# Altium PCB Mutiple.PcbDoc (part 2 of 3) (continued)
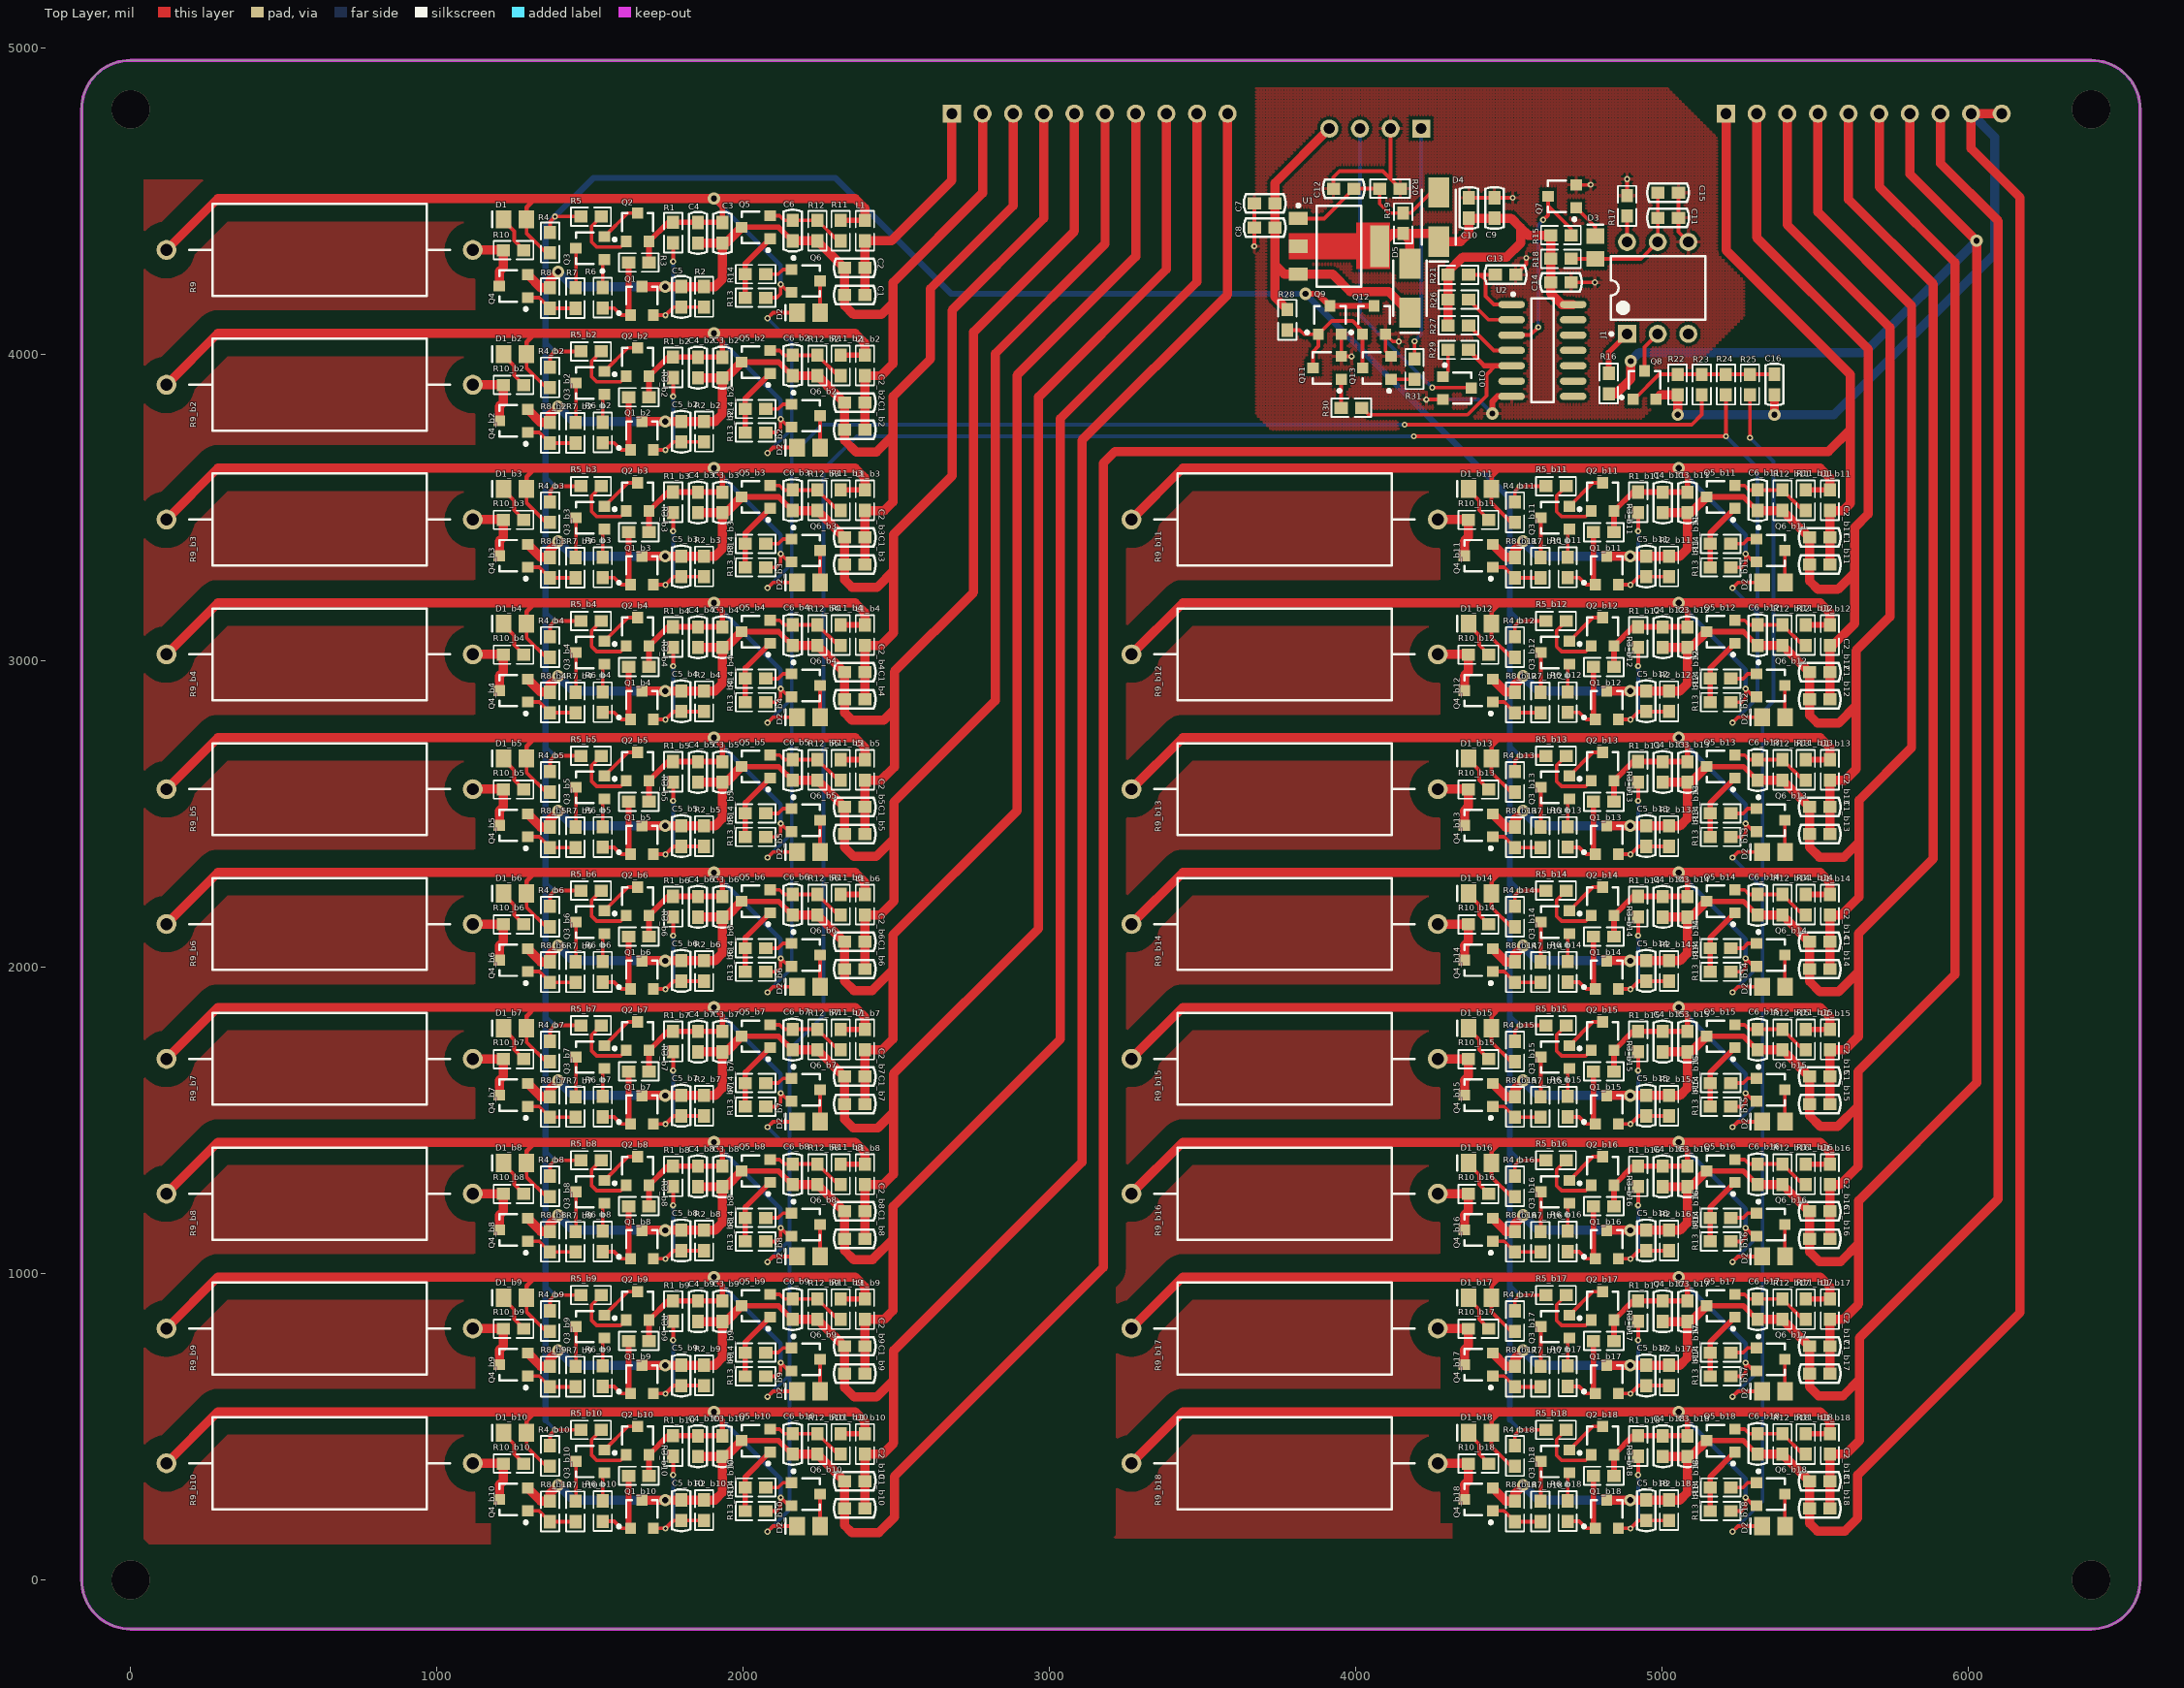
[diagram p0: Top Layer view]
## Nets (pads, with @x,y where several pads share a name; then routed paths per layer and width w, separated by ;. In a path a pad name is that pad's centre, name@x,y a point inside that pad or via, vN(x,y) a via of type N, cw(c..) or ccw(c..) an arc to the next point about the centre after c; other vN are vias at no path point) (continued)
  Bottom Layer w30: v2(4546,2950) 4594.74,2901.26 4895.26,2901.26 v2(4895,2901)
IN_A13: C1_b13.1 C1_b14.2 C2_b13.1 C2_b14.2 C3_b13.1 C4_b13.1 C5_b13.1 C6_b13.1 L1_b14.1 P2.4 Q1_b13.3 Q4_b13.2 Q5_b13.3 R2_b13.1 R8_b13.1 R12_b13.1 | length 4846.2
  Top Layer w18: Q5_b13.3@5144.74,2655 5265,2655 C6_b13.1@5309.46,2610.54
  Top Layer w30: Q4_b13.2@4446.26,2500.4 4489.2,2457.46 R8_b13.1@4519,2457.46 4519,2483 v2(4546,2510) ; Q1_b13.3@4819,2461.26 5057.33,2461.26 5082,2485.93 C3_b13.1@5082,2603.54 ; C4_b13.1@5002,2603.54 C3_b13.1@5082,2603.54 ; Q5_b13.3@5144.74,2655 5093.28,2603.54 C3_b13.1@5082,2603.54 ; C6_b13.1@5309.46,2610.54 C6_b13.1@5311,2610.54 R12_b13.1@5392,2610.54 5479.54,2523 C2_b13.1@5480.54,2523 C1_b13.1@5480.54,2434 5480.54,2391.46 5513,2359 5593,2359 5642,2408 ; P2.4@5508,4786 5508,4464.47 5813.74,4158.74 5813.74,2716.74 5642,2545 5642,2408 ; C1_b14.2@5547,1994.46 L1_b14.1@5547,2170.54 5583.54,2170.54 5642,2229 5642,2408
  Bottom Layer w30: v2(4546,2510) 4594.74,2461.26 4895.26,2461.26 v2(4895,2461)
IN_A14: C1_b14.1 C1_b15.2 C2_b14.1 C2_b15.2 C3_b14.1 C4_b14.1 C5_b14.1 C6_b14.1 L1_b15.1 P2.5 Q1_b14.3 Q4_b14.2 Q5_b14.3 R2_b14.1 R8_b14.1 R12_b14.1 | length 5314
  Top Layer w18: Q5_b14.3@5144.74,2215 5265,2215 C6_b14.1@5309.46,2170.54
  Top Layer w30: Q4_b14.2@4446.26,2060.4 4489.2,2017.46 R8_b14.1@4519,2017.46 4519,2043 v2(4546,2070) ; Q1_b14.3@4819,2021.26 5057.33,2021.26 5082,2045.93 C3_b14.1@5082,2163.54 ; C4_b14.1@5002,2163.54 C3_b14.1@5082,2163.54 ; Q5_b14.3@5144.74,2215 5093.28,2163.54 C3_b14.1@5082,2163.54 ; C6_b14.1@5309.46,2170.54 C6_b14.1@5311,2170.54 R12_b14.1@5392,2170.54 5479.54,2083 C2_b14.1@5480.54,2083 C1_b14.1@5480.54,1994 5480.54,1953.46 5514,1920 5575,1920 5640,1985 ; C1_b15.2@5547,1554.46 L1_b15.1@5547,1730.54 5596.54,1730.54 5640,1774 5640,1985 ; P2.5@5608,4786 5608,4505.89 5884.45,4229.45 5884.45,2354.45 5640,2110 5640,1985
  Bottom Layer w30: v2(4546,2070) 4594.74,2021.26 4895.26,2021.26 v2(4895,2021)
IN_A15: C1_b15.1 C1_b16.2 C2_b15.1 C2_b16.2 C3_b15.1 C4_b15.1 C5_b15.1 C6_b15.1 L1_b16.1 P2.6 Q1_b15.3 Q4_b15.2 Q5_b15.3 R2_b15.1 R8_b15.1 R12_b15.1 | length 5760.5
  Top Layer w18: Q5_b15.3@5144.74,1775 5265,1775 C6_b15.1@5309.46,1730.54
  Top Layer w30: Q4_b15.2@4446.26,1620.4 4489.2,1577.46 R8_b15.1@4519,1577.46 4519,1603 v2(4546,1630) ; Q1_b15.3@4819,1581.26 5057.33,1581.26 5082,1605.93 C3_b15.1@5082,1723.54 ; C4_b15.1@5002,1723.54 C3_b15.1@5082,1723.54 ; Q5_b15.3@5144.74,1775 5093.28,1723.54 C3_b15.1@5082,1723.54 ; C6_b15.1@5309.46,1730.54 C6_b15.1@5311,1730.54 R12_b15.1@5392,1730.54 5479.54,1643 C2_b15.1@5480.54,1643 C1_b15.1@5480.54,1554 5480.54,1515.46 5516,1480 5572,1480 5639,1547 ; C1_b16.2@5547,1114.46 L1_b16.1@5547,1290.54 5580.54,1290.54 5639,1349 5639,1547 ; P2.6@5708,4786 5708,4547.31 5955.16,4300.16 5955.16,1976.16 5639,1660 5639,1547
  Bottom Layer w30: v2(4546,1630) 4594.74,1581.26 4895.26,1581.26 v2(4895,1581)
IN_A16: C1_b16.1 C1_b17.2 C2_b16.1 C2_b17.2 C3_b16.1 C4_b16.1 C5_b16.1 C6_b16.1 L1_b17.1 P2.7 Q1_b16.3 Q4_b16.2 Q5_b16.3 R2_b16.1 R8_b16.1 R12_b16.1 R16.1 | length 7666.6
  Top Layer w18: Q5_b16.3@5144.74,1335 5265,1335 C6_b16.1@5309.46,1290.54
  Top Layer w30: Q4_b16.2@4446.26,1180.4 4489.2,1137.46 R8_b16.1@4519,1137.46 4519,1163 v2(4546,1190) ; Q1_b16.3@4819,1141.26 5057.33,1141.26 5082,1165.93 C3_b16.1@5082,1283.54 ; R16.1@4825,3871.54 4848.54,3871.54 4897,3920 v2(4897,3978) ; C4_b16.1@5002,1283.54 C3_b16.1@5082,1283.54 ; Q5_b16.3@5144.74,1335 5093.28,1283.54 C3_b16.1@5082,1283.54 ; C6_b16.1@5309.46,1290.54 C6_b16.1@5311,1290.54 R12_b16.1@5392,1290.54 5479.54,1203 C2_b16.1@5480.54,1203 C1_b16.1@5480.54,1114 5480.54,1071.46 5513,1039 5582,1039 5641,1098 ; C1_b17.2@5547,674.46 L1_b17.1@5547,850.54 5590.54,850.54 5641,901 5641,1098 ; P2.7@5808,4786 5808,4588.74 v2(6025.87,4370.87) 6025.87,1622.87 5641,1238 5641,1098
  Bottom Layer w30: v2(4546,1190) 4594.74,1141.26 4895.26,1141.26 v2(4895,1141) ; v2(4897,3978) 4925,4006 5661,4006 v2(6025.87,4370.87)
IN_A17: C1_b17.1 C1_b18.2 C2_b17.1 C2_b18.2 C3_b17.1 C4_b17.1 C5_b17.1 C6_b17.1 L1_b18.1 P2.8 Q1_b17.3 Q4_b17.2 Q5_b17.3 R2_b17.1 R8_b17.1 R12_b17.1 | length 6687.5
  Top Layer w18: Q5_b17.3@5144.74,895 5265,895 C6_b17.1@5309.46,850.54
  Top Layer w30: Q4_b17.2@4446.26,740.4 4489.2,697.46 R8_b17.1@4519,697.46 4519,723 v2(4546,750) ; Q1_b17.3@4819,701.26 5057.33,701.26 5082,725.93 C3_b17.1@5082,843.54 ; C4_b17.1@5002,843.54 C3_b17.1@5082,843.54 ; Q5_b17.3@5144.74,895 5093.28,843.54 C3_b17.1@5082,843.54 ; C6_b17.1@5309.46,850.54 C6_b17.1@5311,850.54 R12_b17.1@5392,850.54 5479.54,763 C2_b17.1@5480.54,763 C1_b17.1@5480.54,674 5480.54,630.46 5510,601 5590,601 5644,655 ; C1_b18.2@5547,234.46 L1_b18.1@5547,410.54 5598.54,410.54 5644,456 5644,655 ; P2.8@5908,4786 5908,4623.58 6096.58,4435 6096.58,1243.58 5644,791 5644,655
  Bottom Layer w30: v2(4546,750) 4594.74,701.26 4895.26,701.26 v2(4895,701)
IN_B17: C1_b18.1 C2_b18.1 C3_b18.1 C4_b18.1 C5_b18.1 C6_b18.1 C16.2 P2.9 P2.10 Q1_b18.3 Q4_b18.2 Q5_b18.3 Q8.2 R2_b18.1 R8_b18.1 R12_b18.1 R22.1 | length 8711
  Top Layer w18: Q5_b18.3@5144.74,455 5265,455 C6_b18.1@5309.46,410.54
  Top Layer w30: Q4_b18.2@4446.26,300.4 4489.2,257.46 R8_b18.1@4519,257.46 4519,283 v2(4546,310) ; Q1_b18.3@4819,261.26 5057.33,261.26 5082,285.93 C3_b18.1@5082,403.54 ; Q8.2@4979.4,3853.74 4993.66,3868 R22.1@5050,3868 v2(5050,3803) ; C4_b18.1@5002,403.54 C3_b18.1@5082,403.54 ; Q5_b18.3@5144.74,455 5093.28,403.54 C3_b18.1@5082,403.54 ; C6_b18.1@5309.46,410.54 C6_b18.1@5311,410.54 R12_b18.1@5392,410.54 5479.54,323 C2_b18.1@5480.54,323 C1_b18.1@5480.54,234 5480.54,185.46 5506,160 5596,160 5638,202 5638,343 6167.29,872.29 6167.29,4512.29 6008,4671.58 P2.9@6008,4786 P2.10@6108,4786 ; v2(5366,3803) C16.2@5366,3868.54
  Bottom Layer w30: v2(4546,310) 4594.74,261.26 4895.26,261.26 v2(4895,261) ; v2(5050,3803) v2(5366,3803) 5560,3803 6085,4328 6085,4709 P2.9@6008,4786
NetC3_2: C3.2 C4.2 D1.1 L1.2 Q2.2 Q6.2 R1.2 R3.2 R4.1 R9.2 R11.2 R13.2 | length 3636
  Top Layer w12: D1.1@1292.4,4441 1292.4,4395.6 1356.46,4331.54 R4.1@1369,4331.54 ; R13.2@2073.46,4185 2109,4185 2122,4198 v1(2122,4229) 2148.4,4202.6 Q6.2@2157.74,4202.6
  Top Layer w15: D1.1@1292.4,4441 1292.4,4480.4 1321,4509
  Top Layer w18: R3.2@1692.46,4300 Q2.2@1692.4,4368.74 1754.79,4431 R1.2@1771,4431 1931.46,4431 C3.2@1932,4430.46 1932,4481 v2(1904,4509) ; R11.2@2318,4437.46 L1.2@2397,4437.46
  Top Layer w30: R9.2@117,4341 285,4509 1321,4509 v2(1904,4509) 2365,4509 2397,4477 L1.2@2397,4437.46
  Bottom Layer w15: v2(1904,4509) 2122,4291 v1(2122,4229)
NetC3_b2_2: C3_b2.2 C4_b2.2 D1_b2.1 L1_b2.2 Q2_b2.2 Q6_b2.2 R1_b2.2 R3_b2.2 R4_b2.1 R9_b2.2 R11_b2.2 R13_b2.2 | length 3636
  Top Layer w12: D1_b2.1@1292.4,4001 1292.4,3955.6 1356.46,3891.54 R4_b2.1@1369,3891.54 ; R13_b2.2@2073.46,3745 2109,3745 2122,3758 v1(2122,3789) 2148.4,3762.6 Q6_b2.2@2157.74,3762.6
  Top Layer w15: D1_b2.1@1292.4,4001 1292.4,4040.4 1321,4069
  Top Layer w18: R3_b2.2@1692.46,3860 Q2_b2.2@1692.4,3928.74 1754.79,3991 R1_b2.2@1771,3991 1931.46,3991 C3_b2.2@1932,3990.46 1932,4041 v2(1904,4069) ; R11_b2.2@2318,3997.46 L1_b2.2@2397,3997.46
  Top Layer w30: R9_b2.2@117,3901 285,4069 1321,4069 v2(1904,4069) 2365,4069 2397,4037 L1_b2.2@2397,3997.46
  Bottom Layer w15: v2(1904,4069) 2122,3851 v1(2122,3789)
NetC3_b3_2: C3_b3.2 C4_b3.2 D1_b3.1 L1_b3.2 Q2_b3.2 Q6_b3.2 R1_b3.2 R3_b3.2 R4_b3.1 R9_b3.2 R11_b3.2 R13_b3.2 | length 3636
  Top Layer w12: D1_b3.1@1292.4,3561 1292.4,3515.6 1356.46,3451.54 R4_b3.1@1369,3451.54 ; R13_b3.2@2073.46,3305 2109,3305 2122,3318 v1(2122,3349) 2148.4,3322.6 Q6_b3.2@2157.74,3322.6
  Top Layer w15: D1_b3.1@1292.4,3561 1292.4,3600.4 1321,3629
  Top Layer w18: R3_b3.2@1692.46,3420 Q2_b3.2@1692.4,3488.74 1754.79,3551 R1_b3.2@1771,3551 1931.46,3551 C3_b3.2@1932,3550.46 1932,3601 v2(1904,3629) ; R11_b3.2@2318,3557.46 L1_b3.2@2397,3557.46
  Top Layer w30: R9_b3.2@117,3461 285,3629 1321,3629 v2(1904,3629) 2365,3629 2397,3597 L1_b3.2@2397,3557.46
  Bottom Layer w15: v2(1904,3629) 2122,3411 v1(2122,3349)
NetC3_b4_2: C3_b4.2 C4_b4.2 D1_b4.1 L1_b4.2 Q2_b4.2 Q6_b4.2 R1_b4.2 R3_b4.2 R4_b4.1 R9_b4.2 R11_b4.2 R13_b4.2 | length 3636
  Top Layer w12: D1_b4.1@1292.4,3121 1292.4,3075.6 1356.46,3011.54 R4_b4.1@1369,3011.54 ; R13_b4.2@2073.46,2865 2109,2865 2122,2878 v1(2122,2909) 2148.4,2882.6 Q6_b4.2@2157.74,2882.6
  Top Layer w15: D1_b4.1@1292.4,3121 1292.4,3160.4 1321,3189
  Top Layer w18: R3_b4.2@1692.46,2980 Q2_b4.2@1692.4,3048.74 1754.79,3111 R1_b4.2@1771,3111 1931.46,3111 C3_b4.2@1932,3110.46 1932,3161 v2(1904,3189) ; R11_b4.2@2318,3117.46 L1_b4.2@2397,3117.46
  Top Layer w30: R9_b4.2@117,3021 285,3189 1321,3189 v2(1904,3189) 2365,3189 2397,3157 L1_b4.2@2397,3117.46
  Bottom Layer w15: v2(1904,3189) 2122,2971 v1(2122,2909)
NetC3_b5_2: C3_b5.2 C4_b5.2 D1_b5.1 L1_b5.2 Q2_b5.2 Q6_b5.2 R1_b5.2 R3_b5.2 R4_b5.1 R9_b5.2 R11_b5.2 R13_b5.2 | length 3636
  Top Layer w12: D1_b5.1@1292.4,2681 1292.4,2635.6 1356.46,2571.54 R4_b5.1@1369,2571.54 ; R13_b5.2@2073.46,2425 2109,2425 2122,2438 v1(2122,2469) 2148.4,2442.6 Q6_b5.2@2157.74,2442.6
  Top Layer w15: D1_b5.1@1292.4,2681 1292.4,2720.4 1321,2749
  Top Layer w18: R3_b5.2@1692.46,2540 Q2_b5.2@1692.4,2608.74 1754.79,2671 R1_b5.2@1771,2671 1931.46,2671 C3_b5.2@1932,2670.46 1932,2721 v2(1904,2749) ; R11_b5.2@2318,2677.46 L1_b5.2@2397,2677.46
  Top Layer w30: R9_b5.2@117,2581 285,2749 1321,2749 v2(1904,2749) 2365,2749 2397,2717 L1_b5.2@2397,2677.46
  Bottom Layer w15: v2(1904,2749) 2122,2531 v1(2122,2469)
NetC3_b6_2: C3_b6.2 C4_b6.2 D1_b6.1 L1_b6.2 Q2_b6.2 Q6_b6.2 R1_b6.2 R3_b6.2 R4_b6.1 R9_b6.2 R11_b6.2 R13_b6.2 | length 3636
  Top Layer w12: D1_b6.1@1292.4,2241 1292.4,2195.6 1356.46,2131.54 R4_b6.1@1369,2131.54 ; R13_b6.2@2073.46,1985 2109,1985 2122,1998 v1(2122,2029) 2148.4,2002.6 Q6_b6.2@2157.74,2002.6
  Top Layer w15: D1_b6.1@1292.4,2241 1292.4,2280.4 1321,2309
  Top Layer w18: R3_b6.2@1692.46,2100 Q2_b6.2@1692.4,2168.74 1754.79,2231 R1_b6.2@1771,2231 1931.46,2231 C3_b6.2@1932,2230.46 1932,2281 v2(1904,2309) ; R11_b6.2@2318,2237.46 L1_b6.2@2397,2237.46
  Top Layer w30: R9_b6.2@117,2141 285,2309 1321,2309 v2(1904,2309) 2365,2309 2397,2277 L1_b6.2@2397,2237.46
  Bottom Layer w15: v2(1904,2309) 2122,2091 v1(2122,2029)
NetC3_b7_2: C3_b7.2 C4_b7.2 D1_b7.1 L1_b7.2 Q2_b7.2 Q6_b7.2 R1_b7.2 R3_b7.2 R4_b7.1 R9_b7.2 R11_b7.2 R13_b7.2 | length 3636
  Top Layer w12: D1_b7.1@1292.4,1801 1292.4,1755.6 1356.46,1691.54 R4_b7.1@1369,1691.54 ; R13_b7.2@2073.46,1545 2109,1545 2122,1558 v1(2122,1589) 2148.4,1562.6 Q6_b7.2@2157.74,1562.6
  Top Layer w15: D1_b7.1@1292.4,1801 1292.4,1840.4 1321,1869
  Top Layer w18: R3_b7.2@1692.46,1660 Q2_b7.2@1692.4,1728.74 1754.79,1791 R1_b7.2@1771,1791 1931.46,1791 C3_b7.2@1932,1790.46 1932,1841 v2(1904,1869) ; R11_b7.2@2318,1797.46 L1_b7.2@2397,1797.46
  Top Layer w30: R9_b7.2@117,1701 285,1869 1321,1869 v2(1904,1869) 2365,1869 2397,1837 L1_b7.2@2397,1797.46
  Bottom Layer w15: v2(1904,1869) 2122,1651 v1(2122,1589)
NetC3_b8_2: C3_b8.2 C4_b8.2 D1_b8.1 L1_b8.2 Q2_b8.2 Q6_b8.2 R1_b8.2 R3_b8.2 R4_b8.1 R9_b8.2 R11_b8.2 R13_b8.2 | length 3636
  Top Layer w12: D1_b8.1@1292.4,1361 1292.4,1315.6 1356.46,1251.54 R4_b8.1@1369,1251.54 ; R13_b8.2@2073.46,1105 2109,1105 2122,1118 v1(2122,1149) 2148.4,1122.6 Q6_b8.2@2157.74,1122.6
  Top Layer w15: D1_b8.1@1292.4,1361 1292.4,1400.4 1321,1429
  Top Layer w18: R3_b8.2@1692.46,1220 Q2_b8.2@1692.4,1288.74 1754.79,1351 R1_b8.2@1771,1351 1931.46,1351 C3_b8.2@1932,1350.46 1932,1401 v2(1904,1429) ; R11_b8.2@2318,1357.46 L1_b8.2@2397,1357.46
  Top Layer w30: R9_b8.2@117,1261 285,1429 1321,1429 v2(1904,1429) 2365,1429 2397,1397 L1_b8.2@2397,1357.46
  Bottom Layer w15: v2(1904,1429) 2122,1211 v1(2122,1149)
NetC3_b9_2: C3_b9.2 C4_b9.2 D1_b9.1 L1_b9.2 Q2_b9.2 Q6_b9.2 R1_b9.2 R3_b9.2 R4_b9.1 R9_b9.2 R11_b9.2 R13_b9.2 | length 3636
  Top Layer w12: D1_b9.1@1292.4,921 1292.4,875.6 1356.46,811.54 R4_b9.1@1369,811.54 ; R13_b9.2@2073.46,665 2109,665 2122,678 v1(2122,709) 2148.4,682.6 Q6_b9.2@2157.74,682.6
  Top Layer w15: D1_b9.1@1292.4,921 1292.4,960.4 1321,989
  Top Layer w18: R3_b9.2@1692.46,780 Q2_b9.2@1692.4,848.74 1754.79,911 R1_b9.2@1771,911 1931.46,911 C3_b9.2@1932,910.46 1932,961 v2(1904,989) ; R11_b9.2@2318,917.46 L1_b9.2@2397,917.46
  Top Layer w30: R9_b9.2@117,821 285,989 1321,989 v2(1904,989) 2365,989 2397,957 L1_b9.2@2397,917.46
  Bottom Layer w15: v2(1904,989) 2122,771 v1(2122,709)
NetC3_b10_2: C3_b10.2 C4_b10.2 D1_b10.1 L1_b10.2 Q2_b10.2 Q6_b10.2 R1_b10.2 R3_b10.2 R4_b10.1 R9_b10.2 R11_b10.2 R13_b10.2 | length 3636
  Top Layer w12: D1_b10.1@1292.4,481 1292.4,435.6 1356.46,371.54 R4_b10.1@1369,371.54 ; R13_b10.2@2073.46,225 2109,225 2122,238 v1(2122,269) 2148.4,242.6 Q6_b10.2@2157.74,242.6
  Top Layer w15: D1_b10.1@1292.4,481 1292.4,520.4 1321,549
  Top Layer w18: R3_b10.2@1692.46,340 Q2_b10.2@1692.4,408.74 1754.79,471 R1_b10.2@1771,471 1931.46,471 C3_b10.2@1932,470.46 1932,521 v2(1904,549) ; R11_b10.2@2318,477.46 L1_b10.2@2397,477.46
  Top Layer w30: R9_b10.2@117,381 285,549 1321,549 v2(1904,549) 2365,549 2397,517 L1_b10.2@2397,477.46
  Bottom Layer w15: v2(1904,549) 2122,331 v1(2122,269)
NetC3_b11_2: C3_b11.2 C4_b11.2 D1_b11.1 L1_b11.2 Q2_b11.2 Q6_b11.2 R1_b11.2 R3_b11.2 R4_b11.1 R9_b11.2 R11_b11.2 R13_b11.2 | length 3636
  Top Layer w12: D1_b11.1@4442.4,3561 4442.4,3515.6 4506.46,3451.54 R4_b11.1@4519,3451.54 ; R13_b11.2@5223.46,3305 5259,3305 5272,3318 v1(5272,3349) 5298.4,3322.6 Q6_b11.2@5307.74,3322.6
  Top Layer w15: D1_b11.1@4442.4,3561 4442.4,3600.4 4471,3629
  Top Layer w18: R3_b11.2@4842.46,3420 Q2_b11.2@4842.4,3488.74 4904.79,3551 R1_b11.2@4921,3551 5081.46,3551 C3_b11.2@5082,3550.46 5082,3601 v2(5054,3629) ; R11_b11.2@5468,3557.46 L1_b11.2@5547,3557.46
  Top Layer w30: R9_b11.2@3267,3461 3435,3629 4471,3629 v2(5054,3629) 5515,3629 5547,3597 L1_b11.2@5547,3557.46
  Bottom Layer w15: v2(5054,3629) 5272,3411 v1(5272,3349)
NetC3_b12_2: C3_b12.2 C4_b12.2 D1_b12.1 L1_b12.2 Q2_b12.2 Q6_b12.2 R1_b12.2 R3_b12.2 R4_b12.1 R9_b12.2 R11_b12.2 R13_b12.2 | length 3636
  Top Layer w12: D1_b12.1@4442.4,3121 4442.4,3075.6 4506.46,3011.54 R4_b12.1@4519,3011.54 ; R13_b12.2@5223.46,2865 5259,2865 5272,2878 v1(5272,2909) 5298.4,2882.6 Q6_b12.2@5307.74,2882.6
  Top Layer w15: D1_b12.1@4442.4,3121 4442.4,3160.4 4471,3189
  Top Layer w18: R3_b12.2@4842.46,2980 Q2_b12.2@4842.4,3048.74 4904.79,3111 R1_b12.2@4921,3111 5081.46,3111 C3_b12.2@5082,3110.46 5082,3161 v2(5054,3189) ; R11_b12.2@5468,3117.46 L1_b12.2@5547,3117.46
  Top Layer w30: R9_b12.2@3267,3021 3435,3189 4471,3189 v2(5054,3189) 5515,3189 5547,3157 L1_b12.2@5547,3117.46
  Bottom Layer w15: v2(5054,3189) 5272,2971 v1(5272,2909)
NetC3_b13_2: C3_b13.2 C4_b13.2 D1_b13.1 L1_b13.2 Q2_b13.2 Q6_b13.2 R1_b13.2 R3_b13.2 R4_b13.1 R9_b13.2 R11_b13.2 R13_b13.2 | length 3636
  Top Layer w12: D1_b13.1@4442.4,2681 4442.4,2635.6 4506.46,2571.54 R4_b13.1@4519,2571.54 ; R13_b13.2@5223.46,2425 5259,2425 5272,2438 v1(5272,2469) 5298.4,2442.6 Q6_b13.2@5307.74,2442.6
  Top Layer w15: D1_b13.1@4442.4,2681 4442.4,2720.4 4471,2749
  Top Layer w18: R3_b13.2@4842.46,2540 Q2_b13.2@4842.4,2608.74 4904.79,2671 R1_b13.2@4921,2671 5081.46,2671 C3_b13.2@5082,2670.46 5082,2721 v2(5054,2749) ; R11_b13.2@5468,2677.46 L1_b13.2@5547,2677.46
  Top Layer w30: R9_b13.2@3267,2581 3435,2749 4471,2749 v2(5054,2749) 5515,2749 5547,2717 L1_b13.2@5547,2677.46
  Bottom Layer w15: v2(5054,2749) 5272,2531 v1(5272,2469)
NetC3_b14_2: C3_b14.2 C4_b14.2 D1_b14.1 L1_b14.2 Q2_b14.2 Q6_b14.2 R1_b14.2 R3_b14.2 R4_b14.1 R9_b14.2 R11_b14.2 R13_b14.2 | length 3636
  Top Layer w12: D1_b14.1@4442.4,2241 4442.4,2195.6 4506.46,2131.54 R4_b14.1@4519,2131.54 ; R13_b14.2@5223.46,1985 5259,1985 5272,1998 v1(5272,2029) 5298.4,2002.6 Q6_b14.2@5307.74,2002.6
  Top Layer w15: D1_b14.1@4442.4,2241 4442.4,2280.4 4471,2309
  Top Layer w18: R3_b14.2@4842.46,2100 Q2_b14.2@4842.4,2168.74 4904.79,2231 R1_b14.2@4921,2231 5081.46,2231 C3_b14.2@5082,2230.46 5082,2281 v2(5054,2309) ; R11_b14.2@5468,2237.46 L1_b14.2@5547,2237.46
  Top Layer w30: R9_b14.2@3267,2141 3435,2309 4471,2309 v2(5054,2309) 5515,2309 5547,2277 L1_b14.2@5547,2237.46
  Bottom Layer w15: v2(5054,2309) 5272,2091 v1(5272,2029)
NetC3_b15_2: C3_b15.2 C4_b15.2 D1_b15.1 L1_b15.2 Q2_b15.2 Q6_b15.2 R1_b15.2 R3_b15.2 R4_b15.1 R9_b15.2 R11_b15.2 R13_b15.2 | length 3636
  Top Layer w12: D1_b15.1@4442.4,1801 4442.4,1755.6 4506.46,1691.54 R4_b15.1@4519,1691.54 ; R13_b15.2@5223.46,1545 5259,1545 5272,1558 v1(5272,1589) 5298.4,1562.6 Q6_b15.2@5307.74,1562.6
  Top Layer w15: D1_b15.1@4442.4,1801 4442.4,1840.4 4471,1869
  Top Layer w18: R3_b15.2@4842.46,1660 Q2_b15.2@4842.4,1728.74 4904.79,1791 R1_b15.2@4921,1791 5081.46,1791 C3_b15.2@5082,1790.46 5082,1841 v2(5054,1869) ; R11_b15.2@5468,1797.46 L1_b15.2@5547,1797.46
  Top Layer w30: R9_b15.2@3267,1701 3435,1869 4471,1869 v2(5054,1869) 5515,1869 5547,1837 L1_b15.2@5547,1797.46
  Bottom Layer w15: v2(5054,1869) 5272,1651 v1(5272,1589)
NetC3_b16_2: C3_b16.2 C4_b16.2 D1_b16.1 L1_b16.2 Q2_b16.2 Q6_b16.2 R1_b16.2 R3_b16.2 R4_b16.1 R9_b16.2 R11_b16.2 R13_b16.2 | length 3636
  Top Layer w12: D1_b16.1@4442.4,1361 4442.4,1315.6 4506.46,1251.54 R4_b16.1@4519,1251.54 ; R13_b16.2@5223.46,1105 5259,1105 5272,1118 v1(5272,1149) 5298.4,1122.6 Q6_b16.2@5307.74,1122.6
  Top Layer w15: D1_b16.1@4442.4,1361 4442.4,1400.4 4471,1429
  Top Layer w18: R3_b16.2@4842.46,1220 Q2_b16.2@4842.4,1288.74 4904.79,1351 R1_b16.2@4921,1351 5081.46,1351 C3_b16.2@5082,1350.46 5082,1401 v2(5054,1429) ; R11_b16.2@5468,1357.46 L1_b16.2@5547,1357.46
  Top Layer w30: R9_b16.2@3267,1261 3435,1429 4471,1429 v2(5054,1429) 5515,1429 5547,1397 L1_b16.2@5547,1357.46
  Bottom Layer w15: v2(5054,1429) 5272,1211 v1(5272,1149)
NetC3_b17_2: C3_b17.2 C4_b17.2 D1_b17.1 L1_b17.2 Q2_b17.2 Q6_b17.2 R1_b17.2 R3_b17.2 R4_b17.1 R9_b17.2 R11_b17.2 R13_b17.2 | length 3636
  Top Layer w12: D1_b17.1@4442.4,921 4442.4,875.6 4506.46,811.54 R4_b17.1@4519,811.54 ; R13_b17.2@5223.46,665 5259,665 5272,678 v1(5272,709) 5298.4,682.6 Q6_b17.2@5307.74,682.6
  Top Layer w15: D1_b17.1@4442.4,921 4442.4,960.4 4471,989
  Top Layer w18: R3_b17.2@4842.46,780 Q2_b17.2@4842.4,848.74 4904.79,911 R1_b17.2@4921,911 5081.46,911 C3_b17.2@5082,910.46 5082,961 v2(5054,989) ; R11_b17.2@5468,917.46 L1_b17.2@5547,917.46
  Top Layer w30: R9_b17.2@3267,821 3435,989 4471,989 v2(5054,989) 5515,989 5547,957 L1_b17.2@5547,917.46
  Bottom Layer w15: v2(5054,989) 5272,771 v1(5272,709)
NetC3_b18_2: C3_b18.2 C4_b18.2 D1_b18.1 L1_b18.2 Q2_b18.2 Q6_b18.2 R1_b18.2 R3_b18.2 R4_b18.1 R9_b18.2 R11_b18.2 R13_b18.2 | length 3636
  Top Layer w12: D1_b18.1@4442.4,481 4442.4,435.6 4506.46,371.54 R4_b18.1@4519,371.54 ; R13_b18.2@5223.46,225 5259,225 5272,238 v1(5272,269) 5298.4,242.6 Q6_b18.2@5307.74,242.6
  Top Layer w15: D1_b18.1@4442.4,481 4442.4,520.4 4471,549
  Top Layer w18: R3_b18.2@4842.46,340 Q2_b18.2@4842.4,408.74 4904.79,471 R1_b18.2@4921,471 5081.46,471 C3_b18.2@5082,470.46 5082,521 v2(5054,549) ; R11_b18.2@5468,477.46 L1_b18.2@5547,477.46
  Top Layer w30: R9_b18.2@3267,381 3435,549 4471,549 v2(5054,549) 5515,549 5547,517 L1_b18.2@5547,477.46
  Bottom Layer w15: v2(5054,549) 5272,331 v1(5272,269)
NetC5_2: C5.2 Q1.2 R1.1 R2.2 | length 423.3
  Top Layer w12: Q1.2@1706.4,4128.74 1745.26,4128.74 v1(1746,4128) 1772.54,4154.54 C5.2@1798,4154.54 R2.2@1872,4154.54 ; v1(1771,4303) R1.1@1771,4364.07
  Bottom Layer w12: v1(1746,4128) 1771,4153 v1(1771,4303)
NetC5_b2_2: C5_b2.2 Q1_b2.2 R1_b2.1 R2_b2.2 | length 423.3
  Top Layer w12: Q1_b2.2@1706.4,3688.74 1745.26,3688.74 v1(1746,3688) 1772.54,3714.54 C5_b2.2@1798,3714.54 R2_b2.2@1872,3714.54 ; v1(1771,3863) R1_b2.1@1771,3924.07
  Bottom Layer w12: v1(1746,3688) 1771,3713 v1(1771,3863)
NetC5_b3_2: C5_b3.2 Q1_b3.2 R1_b3.1 R2_b3.2 | length 423.3
  Top Layer w12: Q1_b3.2@1706.4,3248.74 1745.26,3248.74 v1(1746,3248) 1772.54,3274.54 C5_b3.2@1798,3274.54 R2_b3.2@1872,3274.54 ; v1(1771,3423) R1_b3.1@1771,3484.07
  Bottom Layer w12: v1(1746,3248) 1771,3273 v1(1771,3423)
NetC5_b4_2: C5_b4.2 Q1_b4.2 R1_b4.1 R2_b4.2 | length 423.3
  Top Layer w12: Q1_b4.2@1706.4,2808.74 1745.26,2808.74 v1(1746,2808) 1772.54,2834.54 C5_b4.2@1798,2834.54 R2_b4.2@1872,2834.54 ; v1(1771,2983) R1_b4.1@1771,3044.07
  Bottom Layer w12: v1(1746,2808) 1771,2833 v1(1771,2983)
NetC5_b5_2: C5_b5.2 Q1_b5.2 R1_b5.1 R2_b5.2 | length 423.3
  Top Layer w12: Q1_b5.2@1706.4,2368.74 1745.26,2368.74 v1(1746,2368) 1772.54,2394.54 C5_b5.2@1798,2394.54 R2_b5.2@1872,2394.54 ; v1(1771,2543) R1_b5.1@1771,2604.07
  Bottom Layer w12: v1(1746,2368) 1771,2393 v1(1771,2543)
NetC5_b6_2: C5_b6.2 Q1_b6.2 R1_b6.1 R2_b6.2 | length 423.3
  Top Layer w12: Q1_b6.2@1706.4,1928.74 1745.26,1928.74 v1(1746,1928) 1772.54,1954.54 C5_b6.2@1798,1954.54 R2_b6.2@1872,1954.54 ; v1(1771,2103) R1_b6.1@1771,2164.07
  Bottom Layer w12: v1(1746,1928) 1771,1953 v1(1771,2103)
NetC5_b7_2: C5_b7.2 Q1_b7.2 R1_b7.1 R2_b7.2 | length 423.3
  Top Layer w12: Q1_b7.2@1706.4,1488.74 1745.26,1488.74 v1(1746,1488) 1772.54,1514.54 C5_b7.2@1798,1514.54 R2_b7.2@1872,1514.54 ; v1(1771,1663) R1_b7.1@1771,1724.07
  Bottom Layer w12: v1(1746,1488) 1771,1513 v1(1771,1663)
NetC5_b8_2: C5_b8.2 Q1_b8.2 R1_b8.1 R2_b8.2 | length 423.3
  Top Layer w12: Q1_b8.2@1706.4,1048.74 1745.26,1048.74 v1(1746,1048) 1772.54,1074.54 C5_b8.2@1798,1074.54 R2_b8.2@1872,1074.54 ; v1(1771,1223) R1_b8.1@1771,1284.07
  Bottom Layer w12: v1(1746,1048) 1771,1073 v1(1771,1223)
NetC5_b9_2: C5_b9.2 Q1_b9.2 R1_b9.1 R2_b9.2 | length 423.3
  Top Layer w12: Q1_b9.2@1706.4,608.74 1745.26,608.74 v1(1746,608) 1772.54,634.54 C5_b9.2@1798,634.54 R2_b9.2@1872,634.54 ; v1(1771,783) R1_b9.1@1771,844.07
  Bottom Layer w12: v1(1746,608) 1771,633 v1(1771,783)
NetC5_b10_2: C5_b10.2 Q1_b10.2 R1_b10.1 R2_b10.2 | length 423.3
  Top Layer w12: Q1_b10.2@1706.4,168.74 1745.26,168.74 v1(1746,168) 1772.54,194.54 C5_b10.2@1798,194.54 R2_b10.2@1872,194.54 ; v1(1771,343) R1_b10.1@1771,404.07
  Bottom Layer w12: v1(1746,168) 1771,193 v1(1771,343)
NetC5_b11_2: C5_b11.2 Q1_b11.2 R1_b11.1 R2_b11.2 | length 423.3
  Top Layer w12: Q1_b11.2@4856.4,3248.74 4895.26,3248.74 v1(4896,3248) 4922.54,3274.54 C5_b11.2@4948,3274.54 R2_b11.2@5022,3274.54 ; v1(4921,3423) R1_b11.1@4921,3484.07
  Bottom Layer w12: v1(4896,3248) 4921,3273 v1(4921,3423)
NetC5_b12_2: C5_b12.2 Q1_b12.2 R1_b12.1 R2_b12.2 | length 423.3
  Top Layer w12: Q1_b12.2@4856.4,2808.74 4895.26,2808.74 v1(4896,2808) 4922.54,2834.54 C5_b12.2@4948,2834.54 R2_b12.2@5022,2834.54 ; v1(4921,2983) R1_b12.1@4921,3044.07
  Bottom Layer w12: v1(4896,2808) 4921,2833 v1(4921,2983)
NetC5_b13_2: C5_b13.2 Q1_b13.2 R1_b13.1 R2_b13.2 | length 423.3
  Top Layer w12: Q1_b13.2@4856.4,2368.74 4895.26,2368.74 v1(4896,2368) 4922.54,2394.54 C5_b13.2@4948,2394.54 R2_b13.2@5022,2394.54 ; v1(4921,2543) R1_b13.1@4921,2604.07
  Bottom Layer w12: v1(4896,2368) 4921,2393 v1(4921,2543)
NetC5_b14_2: C5_b14.2 Q1_b14.2 R1_b14.1 R2_b14.2 | length 423.3
  Top Layer w12: Q1_b14.2@4856.4,1928.74 4895.26,1928.74 v1(4896,1928) 4922.54,1954.54 C5_b14.2@4948,1954.54 R2_b14.2@5022,1954.54 ; v1(4921,2103) R1_b14.1@4921,2164.07
  Bottom Layer w12: v1(4896,1928) 4921,1953 v1(4921,2103)
NetC5_b15_2: C5_b15.2 Q1_b15.2 R1_b15.1 R2_b15.2 | length 423.3
  Top Layer w12: Q1_b15.2@4856.4,1488.74 4895.26,1488.74 v1(4896,1488) 4922.54,1514.54 C5_b15.2@4948,1514.54 R2_b15.2@5022,1514.54 ; v1(4921,1663) R1_b15.1@4921,1724.07
  Bottom Layer w12: v1(4896,1488) 4921,1513 v1(4921,1663)
NetC5_b16_2: C5_b16.2 Q1_b16.2 R1_b16.1 R2_b16.2 | length 423.3
  Top Layer w12: Q1_b16.2@4856.4,1048.74 4895.26,1048.74 v1(4896,1048) 4922.54,1074.54 C5_b16.2@4948,1074.54 R2_b16.2@5022,1074.54 ; v1(4921,1223) R1_b16.1@4921,1284.07
  Bottom Layer w12: v1(4896,1048) 4921,1073 v1(4921,1223)
NetC5_b17_2: C5_b17.2 Q1_b17.2 R1_b17.1 R2_b17.2 | length 423.3
  Top Layer w12: Q1_b17.2@4856.4,608.74 4895.26,608.74 v1(4896,608) 4922.54,634.54 C5_b17.2@4948,634.54 R2_b17.2@5022,634.54 ; v1(4921,783) R1_b17.1@4921,844.07
  Bottom Layer w12: v1(4896,608) 4921,633 v1(4921,783)
NetC5_b18_2: C5_b18.2 Q1_b18.2 R1_b18.1 R2_b18.2 | length 423.3
  Top Layer w12: Q1_b18.2@4856.4,168.74 4895.26,168.74 v1(4896,168) 4922.54,194.54 C5_b18.2@4948,194.54 R2_b18.2@5022,194.54 ; v1(4921,343) R1_b18.1@4921,404.07
  Bottom Layer w12: v1(4896,168) 4921,193 v1(4921,343)
NetC6_2: C6.2 Q5.2 R11.1 R12.2 | length 264.7
  Top Layer w12: Q5.2@2087.26,4452.4 2118.6,4452.4 2133.54,4437.46 C6.2@2161,4437.46 R12.2@2242,4437.46 2308.93,4370.54 R11.1@2318,4370.54
NetC6_b2_2: C6_b2.2 Q5_b2.2 R11_b2.1 R12_b2.2 | length 264.7
  Top Layer w12: Q5_b2.2@2087.26,4012.4 2118.6,4012.4 2133.54,3997.46 C6_b2.2@2161,3997.46 R12_b2.2@2242,3997.46 2308.93,3930.54 R11_b2.1@2318,3930.54
NetC6_b3_2: C6_b3.2 Q5_b3.2 R11_b3.1 R12_b3.2 | length 264.7
  Top Layer w12: Q5_b3.2@2087.26,3572.4 2118.6,3572.4 2133.54,3557.46 C6_b3.2@2161,3557.46 R12_b3.2@2242,3557.46 2308.93,3490.54 R11_b3.1@2318,3490.54
NetC6_b4_2: C6_b4.2 Q5_b4.2 R11_b4.1 R12_b4.2 | length 264.7
  Top Layer w12: Q5_b4.2@2087.26,3132.4 2118.6,3132.4 2133.54,3117.46 C6_b4.2@2161,3117.46 R12_b4.2@2242,3117.46 2308.93,3050.54 R11_b4.1@2318,3050.54
NetC6_b5_2: C6_b5.2 Q5_b5.2 R11_b5.1 R12_b5.2 | length 264.7
  Top Layer w12: Q5_b5.2@2087.26,2692.4 2118.6,2692.4 2133.54,2677.46 C6_b5.2@2161,2677.46 R12_b5.2@2242,2677.46 2308.93,2610.54 R11_b5.1@2318,2610.54
NetC6_b6_2: C6_b6.2 Q5_b6.2 R11_b6.1 R12_b6.2 | length 264.7
  Top Layer w12: Q5_b6.2@2087.26,2252.4 2118.6,2252.4 2133.54,2237.46 C6_b6.2@2161,2237.46 R12_b6.2@2242,2237.46 2308.93,2170.54 R11_b6.1@2318,2170.54
NetC6_b7_2: C6_b7.2 Q5_b7.2 R11_b7.1 R12_b7.2 | length 264.7
  Top Layer w12: Q5_b7.2@2087.26,1812.4 2118.6,1812.4 2133.54,1797.46 C6_b7.2@2161,1797.46 R12_b7.2@2242,1797.46 2308.93,1730.54 R11_b7.1@2318,1730.54
NetC6_b8_2: C6_b8.2 Q5_b8.2 R11_b8.1 R12_b8.2 | length 264.7
  Top Layer w12: Q5_b8.2@2087.26,1372.4 2118.6,1372.4 2133.54,1357.46 C6_b8.2@2161,1357.46 R12_b8.2@2242,1357.46 2308.93,1290.54 R11_b8.1@2318,1290.54
NetC6_b9_2: C6_b9.2 Q5_b9.2 R11_b9.1 R12_b9.2 | length 264.7
  Top Layer w12: Q5_b9.2@2087.26,932.4 2118.6,932.4 2133.54,917.46 C6_b9.2@2161,917.46 R12_b9.2@2242,917.46 2308.93,850.54 R11_b9.1@2318,850.54
NetC6_b10_2: C6_b10.2 Q5_b10.2 R11_b10.1 R12_b10.2 | length 264.7
  Top Layer w12: Q5_b10.2@2087.26,492.4 2118.6,492.4 2133.54,477.46 C6_b10.2@2161,477.46 R12_b10.2@2242,477.46 2308.93,410.54 R11_b10.1@2318,410.54
NetC6_b11_2: C6_b11.2 Q5_b11.2 R11_b11.1 R12_b11.2 | length 264.7
  Top Layer w12: Q5_b11.2@5237.26,3572.4 5268.6,3572.4 5283.54,3557.46 C6_b11.2@5311,3557.46 R12_b11.2@5392,3557.46 5458.93,3490.54 R11_b11.1@5468,3490.54